# Altium PCB GPS_TRACKER.PcbDoc (part 2 of 2) (continued)
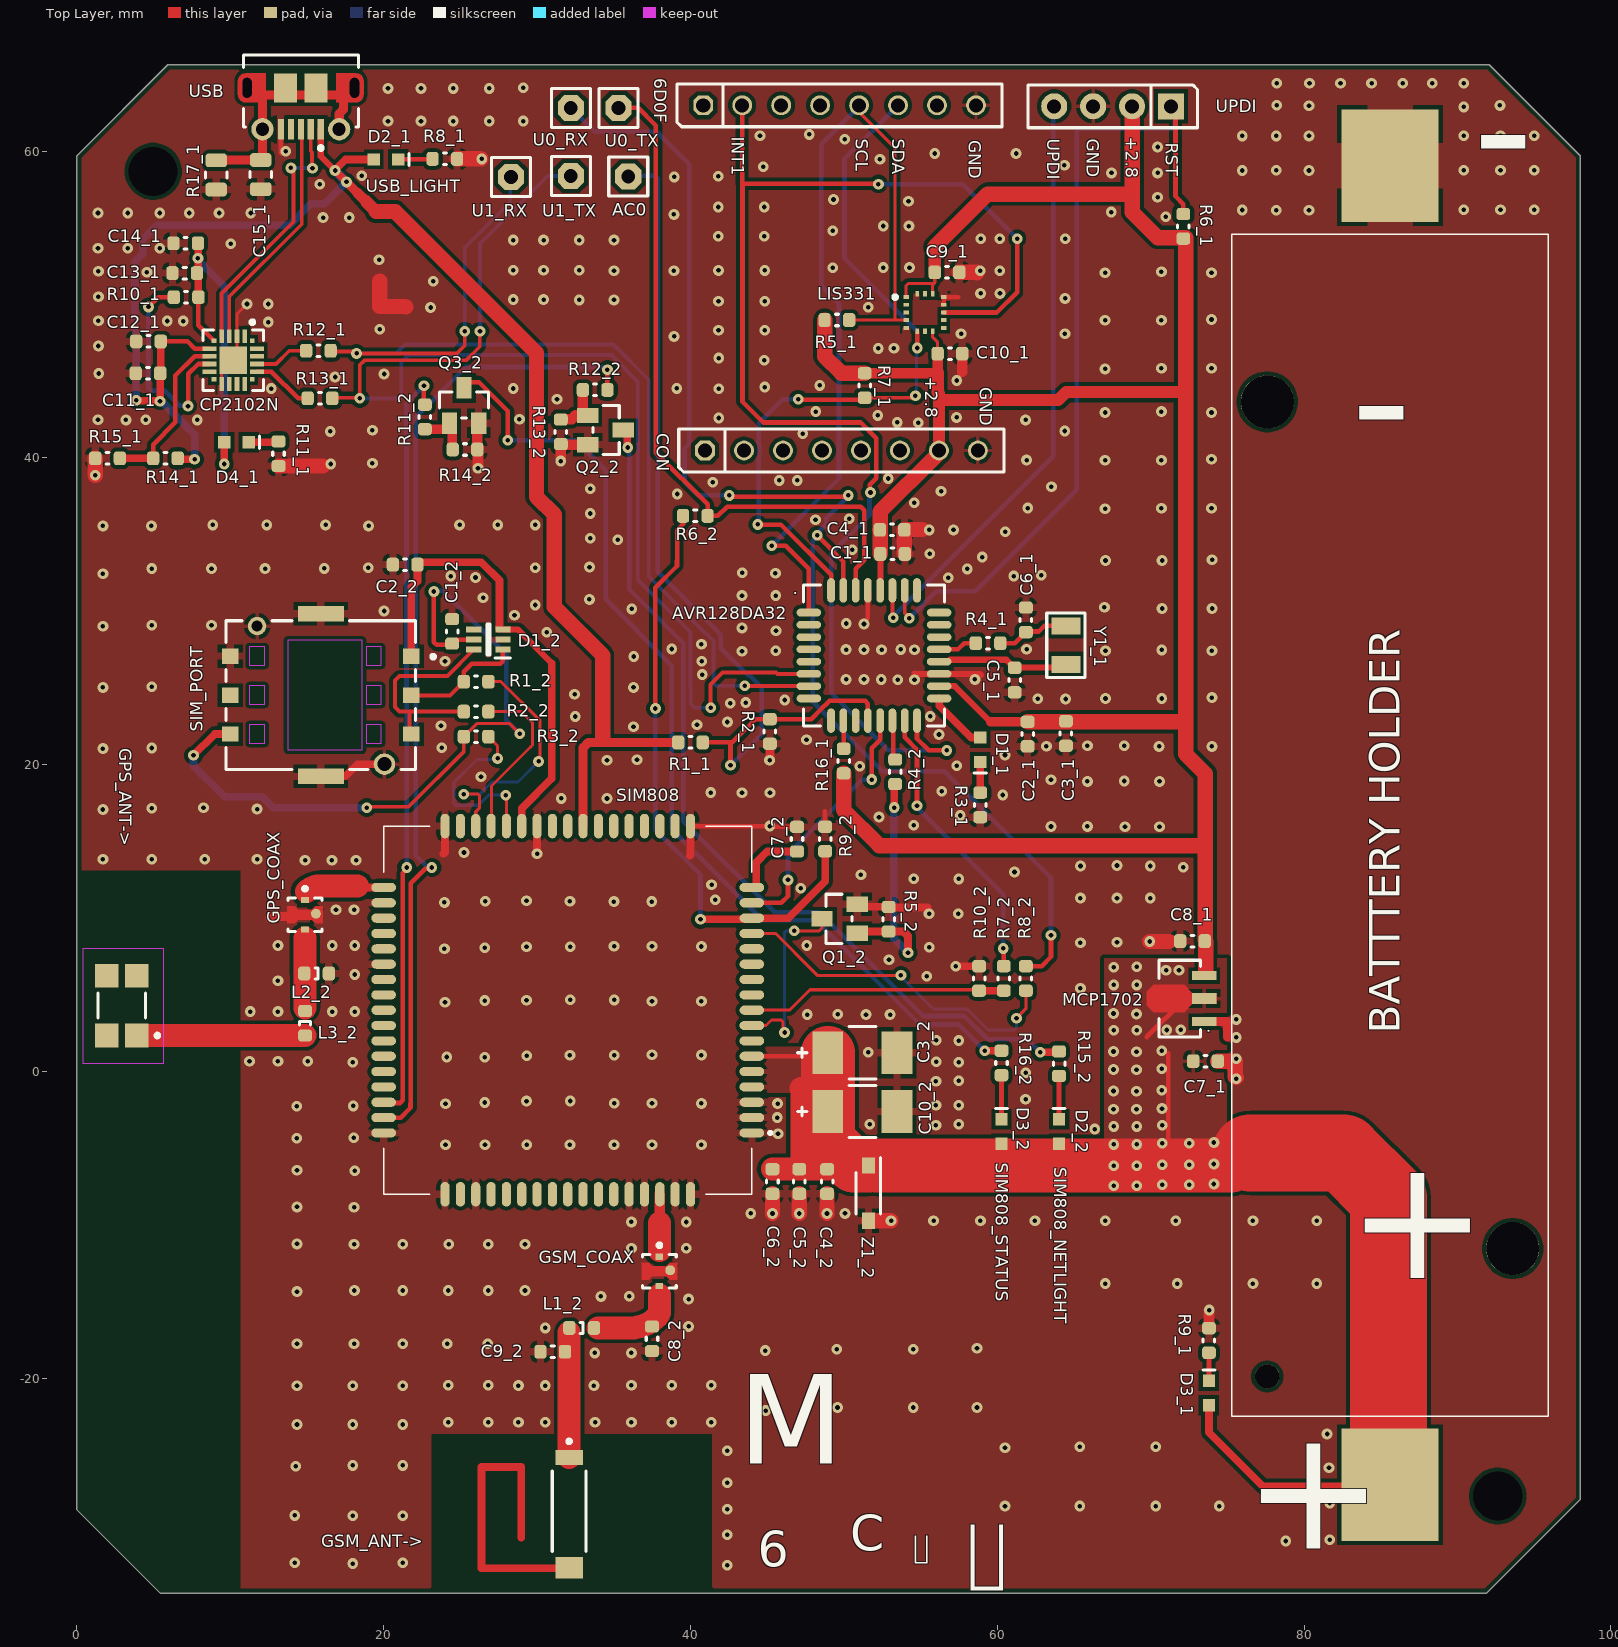
[diagram p0: Top Layer view]
## Nets (pads, with @x,y where several pads share a name; then routed paths per layer and width w, separated by ;. In a path a pad name is that pad's centre, name@x,y a point inside that pad or via, vN(x,y) a via of type N, cw(c..) or ccw(c..) an arc to the next point about the centre after c; other vN are vias at no path point) (continued)
  Top Layer w0.2: R3_2.2@25.225,21.83 26.07,22.676 28.216,22.676 v1(28.876,22.016)
  Top Layer w0.25: v1(18.9,17.205) 18.962,17.267 21.639,17.267 25.225,20.853 R3_2.2@25.225,21.83
  Top Layer w0.3: v1@23.104,31.238 23.275,31.067 23.275,27.99 23.45,27.814 24.376,27.814 24.721,28.159 D1_2.5@25.875,28.159
  Top Layer w0.5: v1(7.6,20.611) 8.989,22 SIM_PORT.C7@10,22
  Bottom Layer w0.3: v1@23.191,31.378 23.232,31.338 23.852,31.338 27.992,27.198 27.992,22.9 v1(28.876,22.016)
  Bottom Layer w0.5: v1(7.6,20.611) 7.6,19.947 9.636,17.912 12.081,17.912 12.788,17.205 v1(18.9,17.205)
  other v1: 23.275,31.292
SMF05C_CAT5: D1_2.6 R2_2.2 SIM_PORT.C3 | length 13.8
  Top Layer w0.25: SIM_PORT.C3@21.8,22 21.69,22.11 21.69,23.465 ; R2_2.2@25.225,23.465 21.69,23.465 ; D1_2.6@25.875,27.509 24.156,25.79 21.027,25.79 20.734,25.497 20.734,23.758 21.027,23.465 21.69,23.465
USB_D_N: CP2102N.5 USB.2 | length 17.1
  Top Layer w0.25: CP2102N.5@9.438,47.926 9.438,50.722 14.114,55.398 14.114,58.621 13.953,58.782 v1(13.953,58.904) ; USB.2@15.25,61.425 15.25,60 15.32,59.93 15.32,58.894 v1@15.343,58.871
  Bottom Layer w0.25: v1@13.869,58.926 13.891,58.904 v1(13.953,58.904) 15.34,58.904 v1(15.362,58.882)
USB_D_P: CP2102N.4 USB.3 | length 15.5
  Top Layer w0.25: CP2102N.4@9.938,47.926 9.938,50.515 14.657,55.234 14.657,61.368 USB.3@14.6,61.425
VBAT: "BATTTERY HOLDER.2" C3_2.2 C4_2.1 C5_2.2 C6_2.1 C7_1.2 C10_2.2 D2_2.1 D3_1.1 D3_2.1 MCP1702.2 SIM808.4 SIM808.5 SIM808.6 Z1_2.1 | length 102.6
  Top Layer w0.3: SIM808.6@44,1 48.733,1 C3_2.2@48.958,1.225 ; 69.745,2.256 72.246,4.757 MCP1702.2@73.495,4.757 ; v1@71.003,-6.125 71.153,-5.975 71.153,1.177
  Top Layer w0.5: D3_1.1@73.797,-21.76 73.797,-23.521 77.317,-27.041 83.925,-27.041
  Top Layer w1: Z1_2.1@51.6,-6.125 52.125,-6.125
  Top Layer w1.5: C6_2.1@45.344,-6.364 C5_2.2@47.255,-6.364 ; 47.195,-1.115 47.255,-1.175 C5_2.2@47.255,-6.364 ; C4_2.1@48.904,-6.364 C5_2.2@47.255,-6.364
  Top Layer w3.5: C3_2.2@48.958,1.225 C10_2.2@48.958,-2.603 48.958,-4.917 49.412,-4.917 50.621,-6.125 Z1_2.1@51.6,-6.125 ; 52.125,-6.125 71.003,-6.125 75.255,-6.125 76.491,-5.307
  Top Layer w5: 76.491,-5.307 82.568,-5.307 85.497,-8.236 85.497,-26.838
  other v1: 67.592,-7.45 69.099,-7.45 70.749,-7.375 72.52,-7.377 74.12,-7.327 67.592,-6.148 69.099,-6.148 70.749,-6.073 72.52,-6.075 74.12,-6.025 67.592,-4.75 69.099,-4.75 70.749,-4.675 72.52,-4.677 74.12,-4.627 67.592,-3.575 69.099,-3.575 70.749,-3.5 67.574,-2.452 69.074,-2.452 70.736,-2.415 69.074,-1.281 67.574,-1.265 70.724,-1.217 69.074,0.116 67.574,0.133 70.724,0.181 69.074,1.291 67.574,1.308 70.724,1.356 69.099,2.693 67.599,2.7 71.05,2.707 71.964,2.725 69.074,3.748 67.574,3.785 67.592,5.646 69.099,5.646 71.003,6.61 71.844,6.61 67.592,6.807 69.099,6.839
"": AVR128DA32.13 SIM808.16 | length 16.8
  Top Layer w0.3: SIM808.16@44,11 45.923,11 46.358,11.435 v1(46.358,12.492) ; v1(51.808,19.034) 51.823,19.049 51.823,21.077 52.364,21.618 AVR128DA32.13@52.364,22.872
  Bottom Layer w0.3: v1(46.358,12.492) 46.358,14.209 51.182,19.034 v1(51.808,19.034)
pads on no net: 6D0F.1 6D0F.3 6D0F.4 6D0F.7 "BATTTERY HOLDER.3" "BATTTERY HOLDER.4" "BATTTERY HOLDER.5" AVR128DA32.2 AVR128DA32.3 AVR128DA32.4 AVR128DA32.5 AVR128DA32.8 AVR128DA32.9 AVR128DA32.11 AVR128DA32.22 AVR128DA32.23 AVR128DA32.24 AVR128DA32.25 CON.1 CON.2 CON.3 CON.4 CON.5 CON.6 CP2102N.1 CP2102N.2 CP2102N.10 CP2102N.11 CP2102N.13 CP2102N.14 CP2102N.15 CP2102N.16 CP2102N.19 CP2102N.20 D1_2.4 GPS_ANT->.2 GPS_ANT->.3 GPS_ANT->.4 LIS331.2 LIS331.3 LIS331.7 LIS331.9 LIS331.10 LIS331.15 SIM808.7 SIM808.10 SIM808.11 SIM808.12 SIM808.13 SIM808.19 SIM808.20 SIM808.21 SIM808.22 SIM808.23 SIM808.24 SIM808.26 SIM808.27 SIM808.33 SIM808.37 SIM808.38 SIM808.39 SIM808.41 SIM808.42 SIM808.43 SIM808.44 SIM808.45 SIM808.46 SIM808.47 SIM808.48 SIM808.53 SIM808.55 SIM808.56 SIM808.57 SIM808.58 SIM808.59 SIM808.60 SIM808.61 SIM808.62 SIM808.63 SIM_PORT.C6 USB.4

## Polygon pours and split planes (outlines as drawn)
VBAT on Top Layer "VBAT_L01_P011" (solid, pour order 11): 43.101,-1.397 48.341,-1.397 48.475,-1.53 48.475,1.603 43.375,1.603 43.101,1.329
VBAT on Top Layer "VBAT_L01_P010" (solid, pour order 10): 74.972,7.375 74.972,-4.611 66.986,-4.611 66.975,-4.6 66.975,7.375
GND on Top Layer "GND_L01_P013" (solid, pour order 13): 74.356,65.532 74.356,52.89 80.905,48.225 98,48.225 98,65.625
GND on Top Layer "GND_L01_P012" (solid, remove dead copper, pour order 12): -0.224,65.625 98,65.625 98,-33.804 38.286,-33.804 5.001,-33.804 -0.224,-28.579
VBAT on Bottom Layer "VBAT_L02_P003" (solid, pour order 3): 66.95,7.321 67,7.271 67,-7.811 74.471,-7.811 74.471,-7.014 74.471,7.384 66.963,7.384 66.95,7.371
GND on Bottom Layer "GND_L02_P004" (solid, remove dead copper, pour order 4): -0.767,59.766 4.342,64.874 98.5,65.015 98.5,-34.751 -1.241,-34.751

## Other copper
Top Layer:
  pour cut-out: 23.1,-33.6 23.1,-23.6 41.425,-23.6 41.425,-33.6
  pour cut-out: 0,13.137 10.693,13.137 10.693,-33.804 0,-33.804 0,2.467
Bottom Layer:
  pour cut-out: 41.375,-33.6 23.074,-33.6 23.074,-23.6 41.375,-23.6
  pour cut-out: 0,13.137 10.693,13.137 10.693,-34 0,-34

## Silkscreen, mask and mechanical layers (free items; w line width, h text height)
Top Overlay:
  text "-" at 94.975,63.624 h8 r180
  text "+2.8" at 68.367,60.946 h0.8 r270
  text "INT1" at 42.699,60.936 h0.8 r270
  text "SCL" at 50.782,60.793 h0.8 r270
  text "SDA" at 53.14,60.793 h0.8 r270
  text "UPDI" at 63.257,60.793 h0.8 r270
  text "GND" at 65.827,60.793 h0.8 r270
  text "GND" at 58.143,60.711 h0.8 r270
  text "RST" at 70.993,60.539 h0.8 r270
  text "USB_LIGHT" at 18.841,57.314 h0.8
  text "+2.8" at 55.294,45.294 h0.8 r270
  text "GND" at 58.862,44.623 h0.8 r270
  text "-" at 83.079,39.914 h8
  text "SIM808_STATUS" at 59.909,-5.954 h0.8 r270
  text "SIM808_NETLIGHT" at 63.708,-6.241 h0.8 r270
  text "+" at 82.804,-13.479 h8
  text "M" at 43.1,-27.5 h10
  text "+" at 76.025,-31.108 h8
  text "C" at 50.425,-32.025 h4
  text "" at 54.525,-32.825 h4
  text "6" at 44.375,-33.05 h4
  text "" at 58.025,-35.75 h10
NOTES (M1):
  text "ASSEMBLY NOTES:" at 29.4,-109.1 h4
  text "1. ALL COMPONENTS SHALL BE RoHS COMPLIANT." at -4.7,-114.2 h3
  text "2. ALL UNUSED THROUGH HOLE COMPONENT LOCATIONS SHALL BE FREE OF SOLDER." at -4.7,-117.2 h3
  text "3. ALL COMPONENTS SHALL BE MOUNTED FLUSH TO THE BOARD, EXCEPT AS NOTED." at -4.7,-120.2 h3
  text "4. FINISHED BOARD SHALL BE FREE OF ALL RESIDUES." at -4.7,-123.2 h3
  text "5. ALL LEADS SHALL BE TRIMMED TO A MAXIMUM HEIGHT OF 2mm" at -4.7,-126.2 h3
  text "'.Layer_Name'" at 318.5,-158.75 h1.5
BOARD (M2):
  lines w0.1: 0,59.7 5.925,65.625 92.075,65.625 98,59.7 98,-27.9 91.9,-34 5.421,-34 0,-28.579 0,48.387 0,59.7 ; 0,59.7 0,59.7
FAB (M4):
  drawing of 284 lines, arcs and shapes, not listed
  text "THIS PCB TO BE MANUFACTURED TO MEET ALL ACCEPTANCE LEVELS" at 236.989,51.662 h1.78
  text "OF A CLASS 2 PCB PER ANSI/IPC-A-600G." at 236.989,47.852 h1.78
  text "MATERIAL:" at 236.989,43.232 h1.78
  text "FR-4 or Equivalent" at 257.309,43.232 h1.78
  text "CONTROLLED IMPEDANCE" at 313.5,39 h1.78
  text "MULTILAYER" at 263.024,38.882 h1.78
  text "2" at 286.519,38.882 h1.78
  text "LAYERS" at 290.964,38.882 h1.78
  text "Cu WEIGHT EXTERNAL LAYERS" at 257.309,34.032 h1.78
  text "35um" at 309.379,34.032 h1.78
  text "FINISHED" at 318.904,34.032 h1.78
  text "Cu WEIGHT INTERNAL LAYERS" at 257.309,29.182 h1.78
  text "N/A" at 309.379,29.182 h1.78
  text "FINISHED" at 318.904,29.182 h1.78
  text "FINISHED OVERALL THICKNESS" at 257.309,24.332 h1.78
  text "1.6" at 310.649,24.332 h1.78
  text "mm" at 318.904,24.332 h1.78
  text "10" at 333.509,24.332 h1.78
  text "%" at 341.764,24.332 h1.78
  text "COPPER THIEVING ALLOWED" at 257.5,19.5 h1.78
  text "YES" at 314.5,19.5 h1.78
  text "NO" at 331.5,19.5 h1.78
  text "X" at 326.091,19 h2.6
  text "FINISH:" at 237,15 h1.78
  text "LEAD-FREE HOT AIR LEVELING" at 263,14.7 h1.78
  text "IMMERSION GOLD" at 263.024,9.162 h1.78
  text "X" at 258.404,8.774 h2.6
  text "IMMERSION TIN" at 263.024,3.662 h1.78
  text "SMOBC WITH SELECTIVE GOLD PLATING ON LANDS" at 263.024,-0.043 h1.78
  text "INDICATED. 1um GOLD OVER 5-10 um NICKEL" at 263.024,-3.853 h1.78
  text "SOLDERMASK" at 257.309,-9.188 h1.78
  text "DYNACHEM EPIC 200 LPI OR EQUIVALENT" at 278.899,-9.188 h1.78
  text "SOLDERMASK COLOR" at 257.309,-15.538 h1.78
  text "RED" at 289.059,-15.538 h1.78
  text "SILKSCREEN COLOR" at 257.309,-21.888 h1.78
  text "WHITE" at 289.059,-21.888 h1.78
  text "Blind / Burried Vias" at 263.5,-28 h1.78
  text "DRILLING:" at 237.5,-28.25 h1.78
  text "Via Layer Pairs" at 258,-32.75 h1.78
  text "Top-Bottom" at 278.75,-32.75 h1.78
  text "ALL HOLES TO BE LOCATED BY THE COORDINATES FROM THE NC DRILL DATA PROVIDED." at 236.989,-38 h1.78
  text "05-'.ProjectPCBNumber'" at 269,-44.5 h1.78
  text "PCB REV" at 305,-44.5 h1.78
  text "USE ARTWORK SET NO." at 236.989,-44.588 h1.78
  text "'.ProjectRevisionART'" at 318.15,-44.75 h1.78
  text "ALL UL LOGO, MANUFACTURER'S ID, AND DATE CODES SHALL BE PLACED" at 236.989,-50.938 h1.78
  text "ON THE BOTTOM SIDE UNLESS OTHERWISE INDICATED." at 236.989,-54.748 h1.78
  text "ANY ALTERNATIVES TO THE ABOVE SPECIFICATIONS MUST FIRST BE APPROVED." at 236.5,-60 h1.78
  text "Layer" at 224.029,-66.675 h1.52
  text "Name" at 234.441,-66.675 h1.52
  text "Material" at 258.056,-66.675 h1.52
  text "Thickness" at 279.894,-66.675 h1.52
  text "Constant" at 296.4,-66.675 h1.52
  text "Gerber" at 310.875,-66.675 h1.52
  text "Board Layer Stack" at 322.81,-66.675 h1.52
  text "Top Overlay" at 234.441,-69.723 h1.52
  text "GTO" at 310.875,-69.723 h1.52
  text "Top Solder" at 234.441,-72.771 h1.52
  text "Solder Resist" at 258.056,-72.771 h1.52
  text "0.010mm" at 279.894,-72.771 h1.52
  text "3.5" at 296.4,-72.771 h1.52
  text "GTS" at 310.875,-72.771 h1.52
  text "1" at 224.029,-75.819 h1.52
  text "Top Layer" at 234.441,-75.819 h1.52
  text "0.035mm" at 279.894,-75.819 h1.52
  text "GTL" at 310.875,-75.819 h1.52
  text "Dielectric1" at 234.441,-78.867 h1.52
  text "FR-4" at 258.056,-78.867 h1.52
  text "1.500mm" at 279.894,-78.867 h1.52
  text "4.3" at 296.4,-78.867 h1.52
  text "2" at 224.029,-81.915 h1.52
  text "Bottom Layer" at 234.441,-81.915 h1.52
  text "0.035mm" at 279.894,-81.915 h1.52
  text "GBL" at 310.875,-81.915 h1.52
  text "Bottom Solder" at 234.441,-84.963 h1.52
  text "Solder Resist" at 258.056,-84.963 h1.52
  text "0.010mm" at 279.894,-84.963 h1.52
  text "3.5" at 296.4,-84.963 h1.52
  text "GBS" at 310.875,-84.963 h1.52
  text "Bottom Overlay" at 234.441,-88.011 h1.52
  text "GBO" at 310.875,-88.011 h1.52
  text "Total board thickness:" at 224.029,-91.059 h1.52
  text "1.590mm" at 279.894,-91.059 h1.52
Bottom Assembly:
  text "'.VariantName'" at 50.07,-142.75 h0.9
  text "ASSEMBLY VARIANT:" at 64.32,-142.75 h0.9
  text "DOCUMENT NUMBER:" at 18.05,-151 h1.14
  text "02-'.ProjectPCBAssyNumber'-D" at 17.8,-154 h1.6
  text "'.ProjectRevisionASSY'" at 1.122,-158.572 h1.5
  text "'.Layer_Name'" at 36,-158.75 h1
Top Assembly:
  text "6. PLACE LABEL  ON THE LOCATION INDICATED." at -4.7,-129.2 h3
  text "7." at -4.7,-132.2 h3
  text "ASSEMBLY VARIANT:" at 272.5,-142.75 h0.9
  text "'.VariantName'" at 286.75,-142.75 h0.9
  text "DOCUMENT NUMBER:" at 318.75,-151 h1.15
  text "02-'.ProjectPCBAssyNumber'-D" at 319,-154 h1.6
TITLE (M16):
  lines w0.1: 272,-141.5 353.82,-141.5 ; 324,-134 324,-137 353.82,-137 ; 342.54,-158.635 342.54,-157.365 ; 342.54,-158 352.7,-158 ; 342.7,-156.8 342.7,-155.8 ; 342.7,-156.3 352.7,-156.3 ; 345.08,-158.635 345.08,-157.365 ; 347.62,-158.635 347.62,-157.365 ; 347.7,-156.6 347.7,-156 ; 350.16,-158.635 350.16,-157.365 ; 352.7,-158.635 352.7,-157.365 ; 352.7,-156.8 352.7,-155.8 ; 353.82,-137 353.82,-137
  lines w0.127: -22.1,-104.175 -17.02,-104.175 ; -22.1,-43.85 -17.02,-43.85 ; -22.1,16.475 -17.02,16.475 ; 41.4,-164.5 41.4,-159.42 ; 41.4,71.72 41.4,76.8 ; 104.9,-164.5 104.9,-159.42 ; 104.9,71.72 104.9,76.8 ; 168.4,-164.5 168.4,-159.42 ; 168.4,71.72 168.4,76.8 ; 203.96,-159.42 239.52,-159.42 ; 231.9,-164.5 231.9,-159.42 ; 231.9,71.72 231.9,76.8 ; 272,-159.42 272,-134 ; 272,-155 353.82,-155 ; 272,-149 353.82,-149 ; 272,-143 353.82,-143 ; 295.4,-164.5 295.4,-159.42 ; 295.4,71.72 295.4,76.8 ; 300,-159.42 300,-143 ; 318,-155 318,-149 ; 331,-159.42 331,-155 ; 338.5,-159.42 338.5,-149 ; 353.82,-128.94 353.82,-159.42 ; 353.82,-104.175 358.9,-104.175 ; 353.82,-43.85 358.9,-43.85 ; 353.82,16.475 358.9,16.475 ; 353.82,-159.42 353.82,-134 238,-134 238,-159.42 353.82,-159.42 ; 353.82,-159.42 -17.02,-159.42 -17.02,71.72 353.82,71.72 353.82,-159.42 ; -22.1,-164.5 358.9,-164.5 358.9,76.8 -22.1,76.8 -22.1,-164.5
  lines w0.254: 243.32,62.72 243.32,67.22 243.32,71.72 ; 255.82,62.72 255.82,67.22 255.82,71.72 ; 334.32,62.72 334.32,67.22 334.32,71.72 ; 353.82,67.22 232.32,67.22 ; 232.32,67.22 232.32,71.72 353.82,71.72 353.82,62.72 232.32,62.72 232.32,67.22
  text "1" at 9.176,73.498 h1.78
  text "2" at 72.566,73.498 h1.78
  text "3" at 135.795,73.498 h1.78
  text "4" at 199.464,73.498 h1.78
  text "5" at 262.939,73.498 h1.78
  text "6" at 326.566,73.498 h1.78
  text "REV" at 234.82,68.72 h1.52
  text "ECO" at 244.82,68.72 h1.52
  text "Comments" at 291.32,68.22 h1.52
  text "Date" at 339.32,68.22 h1.52
  text "A" at -20.195,44.466 h1.78
  text "A" at 355.725,44.466 h1.78
  text "B" at -20.195,-15.986 h1.78
  text "B" at 355.725,-15.986 h1.78
  text "C" at -20.195,-76.311 h1.78
  text "C" at 355.725,-76.311 h1.78
  text "PART NUMBER:" at 325,-136 h1
  text "'.ProjectpartNumber'" at 337,-136.25 h1.5
  text "D" at -20.195,-136.509 h1.78
  text "TITLE:" at 273,-136.5 h1.14
  text "D" at 355.725,-136.509 h1.78
  text "'.ProjectTitle'" at 273,-140.5 h2.5
  text "PCB Layout Contact:" at 273,-145 h1.15
  text "GERBER FILE:" at 301,-145 h1.15
  text "'.ProjectDrawnBy'" at 273,-148 h1.6
  text "'.Plot_File_Name'" at 301,-148 h1.5
  text "M" at 241,-150 h15.24
  text "Project Owner:" at 273,-151 h1.15
  text "BOARD NUMBER:" at 301,-151 h1.15
  text "DATE:" at 339.7,-151 h1.14
  text "Microchip Technology Inc." at 239.77,-153.26 h1.78
  text "'.ProjectEngineer'" at 273,-154 h1.6
  text "04-'.ProjectPCBNumber'" at 301,-154 h1.6
  text "'.PRINT_DATE'" at 339.7,-154 h1.5
  text "2355 W. Chandler Blvd." at 241,-156 h1.78
  text "LAYER NAME:" at 301,-156.5 h1.14
  text "10mm" at 339,-156.6 h0.7
  text "PCB FILE NAME:" at 273,-156.75 h1.15
  text "REV:" at 331.75,-156.75 h1.14
  text "400mil" at 338.9,-158.3 h0.7
  text "Chandler, AZ  85224" at 242,-158.5 h1.78
  text "'.PCB_FILE_NAME_NO_PATH'" at 273,-158.75 h1
  text "1" at 9.176,-162.722 h1.78
  text "2" at 72.566,-162.722 h1.78
  text "3" at 135.795,-162.722 h1.78
  text "4" at 199.464,-162.722 h1.78
  text "5" at 262.939,-162.722 h1.78
  text "6" at 326.566,-162.722 h1.78
Drill Drawing:
  circle w0.254: c-10.712,-85.409 r0.847
  circle w0.254: c-10.712,-96.839 r0.508
  circle w0.254: c-10.712,-96.839 r0.847
  lines w0.254: -11.559,-93.876 -9.865,-93.876 -9.865,-92.183 -11.559,-92.183 -11.559,-93.876 ; -11.559,-89.219 -10.712,-90.066 -9.865,-89.219 -10.712,-88.373 -11.559,-89.219 ; -11.559,-82.023 -11.135,-82.023 -11.135,-82.446 -10.289,-82.446 -10.289,-82.023 -9.865,-82.023 -9.865,-81.176 -10.289,-81.176 -10.289,-80.753 -11.135,-80.753 -11.135,-81.176 -11.559,-81.176 -11.559,-82.023 ; -11.559,-78.636 -9.865,-78.636 -9.865,-76.943 -11.559,-76.943 -11.559,-78.636 ; -11.559,-74.403 -11.135,-74.403 -10.712,-74.826 -10.289,-74.403 -9.865,-74.403 -10.289,-73.979 -9.865,-73.556 -10.289,-73.556 -10.712,-73.133 -11.135,-73.556 -11.559,-73.556 -11.135,-73.979 -11.559,-74.403 ; -11.559,-71.016 -10.712,-70.593 -9.865,-71.016 -10.289,-70.169 -9.865,-69.323 -10.712,-69.746 -11.559,-69.323 -11.135,-70.169 -11.559,-71.016 ; -11.559,-67.206 -11.559,-66.783 -11.135,-66.359 -11.559,-65.936 -11.559,-65.513 -11.135,-65.513 -10.712,-65.936 -10.289,-65.513 -9.865,-65.513 -9.865,-65.936 -10.289,-66.359 -9.865,-66.783 -9.865,-67.206 -10.289,-67.206 -10.712,-66.783 -11.135,-67.206 -11.559,-67.206 ; -11.559,-61.703 -9.865,-61.703 -10.712,-63.396 -11.559,-61.703 ; -11.22,-93.537 -10.204,-93.537 -10.204,-92.521 -11.22,-92.521 -11.22,-93.537
  lines w0.381: -13.077,-98.829 334.449,-98.829 ; -13.077,-60.729 334.449,-60.729 ; 0.915,-102.639 0.915,-56.919 ; 16.151,-102.639 16.151,-56.919 ; 45.352,-102.639 45.352,-56.919 ; 58.202,-102.639 58.202,-56.919 ; 76.84,-102.639 76.84,-56.919 ; 114.929,-102.639 114.929,-56.919 ; 129.911,-102.639 129.911,-56.919 ; 157.589,-102.639 157.589,-56.919 ; 182.22,-102.639 182.22,-56.919 ; 203.905,-102.639 203.905,-56.919 ; 237.779,-102.639 237.779,-56.919 ; 271.653,-102.639 271.653,-56.919 ; 298.823,-102.639 298.823,-56.919 ; -13.077,-102.639 334.449,-102.639 334.449,-56.919 -13.077,-56.919 -13.077,-102.639
  text "Symbol" at -10.791,-59.586 h1.83
  text "Count" at 2.058,-59.586 h1.83
  text "Hole Size" at 17.294,-59.586 h1.83
  text "Plated" at 46.495,-59.586 h1.83
  text "Hole Type" at 59.345,-59.586 h1.83
  text "Drill Layer Pair" at 77.983,-59.586 h1.83
  text "Via/Pad" at 116.072,-59.586 h1.83
  text "Pad Shape" at 131.054,-59.586 h1.83
  text "Template" at 158.732,-59.586 h1.83
  text "Description" at 183.363,-59.586 h1.83
  text "Hole Tolerance (+)" at 205.048,-59.586 h1.83
  text "Hole Tolerance (-)" at 238.922,-59.586 h1.83
  text "Hole Length" at 272.796,-59.586 h1.83
  text "Routed Path Length" at 299.966,-59.586 h1.83
  text "1" at 2.058,-63.396 h1.52
  text "27.56mil (0.700mm)" at 17.294,-63.396 h1.52
  text "PTH" at 46.495,-63.396 h1.52
  text "Round" at 59.345,-63.396 h1.52
  text "Top Layer - Bottom Layer" at 77.983,-63.396 h1.52
  text "Pad" at 116.072,-63.396 h1.52
  text "Rounded" at 131.054,-63.396 h1.52
  text "c120h70m120p-1" at 158.732,-63.396 h1.52
  text "-" at 272.796,-63.396 h1.52
  text "-" at 299.966,-63.396 h1.52
  text "1" at 2.058,-67.206 h1.52
  text "61.81mil (1.570mm)" at 17.294,-67.206 h1.52
  text "NPTH" at 46.495,-67.206 h1.52
  text "Round" at 59.345,-67.206 h1.52
  text "Top Layer - Bottom Layer" at 77.983,-67.206 h1.52
  text "Pad" at 116.072,-67.206 h1.52
  text "Rounded" at 131.054,-67.206 h1.52
  text "c157hn157" at 158.732,-67.206 h1.52
  text "-" at 272.796,-67.206 h1.52
  text "-" at 299.966,-67.206 h1.52
  text "2" at 2.058,-71.016 h1.52
  text "23.62mil (0.600mm)" at 17.294,-71.016 h1.52
  text "PTH" at 46.495,-71.016 h1.52
  text "Slot" at 59.345,-71.016 h1.52
  text "Top Layer - Bottom Layer" at 77.983,-71.016 h1.52
  text "Pad" at 116.072,-71.016 h1.52
  text "Rounded Rectangle" at 131.054,-71.016 h1.52
  text "s-100h60_130r50" at 158.732,-71.016 h1.52
  text "51.18mil (1.300mm)" at 272.796,-71.016 h1.52
  text "27.56mil (0.700mm)" at 299.966,-71.016 h1.52
  text "2" at 2.058,-74.826 h1.52
  text "33.47mil (0.850mm)" at 17.294,-74.826 h1.52
  text "PTH" at 46.495,-74.826 h1.52
  text "Round" at 59.345,-74.826 h1.52
  text "Top Layer - Bottom Layer" at 77.983,-74.826 h1.52
  text "Pad" at 116.072,-74.826 h1.52
  text "Rounded" at 131.054,-74.826 h1.52
  text "c145h85" at 158.732,-74.826 h1.52
  text "-" at 272.796,-74.826 h1.52
  text "-" at 299.966,-74.826 h1.52
  text "2" at 2.058,-78.636 h1.52
  text "125.98mil (3.200mm)" at 17.294,-78.636 h1.52
  text "NPTH" at 46.495,-78.636 h1.52
  text "Round" at 59.345,-78.636 h1.52
  text "Top Layer - Bottom Layer" at 77.983,-78.636 h1.52
  text "Pad" at 116.072,-78.636 h1.52
  text "Rounded" at 131.054,-78.636 h1.52
  text "c0hn320m340" at 158.732,-78.636 h1.52
  text "-" at 272.796,-78.636 h1.52
  text "-" at 299.966,-78.636 h1.52
  text "2" at 2.058,-82.446 h1.52
  text "135.83mil (3.450mm)" at 17.294,-82.446 h1.52
  text "NPTH" at 46.495,-82.446 h1.52
  text "Round" at 59.345,-82.446 h1.52
  text "Top Layer - Bottom Layer" at 77.983,-82.446 h1.52
  text "Pad" at 116.072,-82.446 h1.52
  text "Rounded" at 131.054,-82.446 h1.52
  text "c345hn345" at 158.732,-82.446 h1.52
  text "-" at 272.796,-82.446 h1.52
  text "-" at 299.966,-82.446 h1.52
  text "5" at 2.058,-86.256 h1.52
  text "35.43mil (0.900mm)" at 17.294,-86.256 h1.52
  text "PTH" at 46.495,-86.256 h1.52
  text "Round" at 59.345,-86.256 h1.52
  text "Top Layer - Bottom Layer" at 77.983,-86.256 h1.52
  text "Pad" at 116.072,-86.256 h1.52
  text "Octagonal" at 131.054,-86.256 h1.52
  text "s170h90c50" at 158.732,-86.256 h1.52
  text "-" at 272.796,-86.256 h1.52
  text "-" at 299.966,-86.256 h1.52
  text "5" at 2.058,-90.066 h1.52
  text "35.98mil (0.914mm)" at 17.294,-90.066 h1.52
  text "PTH" at 46.495,-90.066 h1.52
  text "Round" at 59.345,-90.066 h1.52
  text "Top Layer - Bottom Layer" at 77.983,-90.066 h1.52
  text "Pad" at 116.072,-90.066 h1.52
  text "(Mixed)" at 131.054,-90.066 h1.52
  text "(Mixed)" at 158.732,-90.066 h1.52
  text "-" at 272.796,-90.066 h1.52
  text "-" at 299.966,-90.066 h1.52
  text "16" at 2.058,-93.876 h1.52
  text "36.00mil (0.914mm)" at 17.294,-93.876 h1.52
  text "PTH" at 46.495,-93.876 h1.52
  text "Round" at 59.345,-93.876 h1.52
  text "Top Layer - Bottom Layer" at 77.983,-93.876 h1.52
  text "Pad" at 116.072,-93.876 h1.52
  text "(Mixed)" at 131.054,-93.876 h1.52
  text "(Mixed)" at 158.732,-93.876 h1.52
  text "-" at 272.796,-93.876 h1.52
  text "-" at 299.966,-93.876 h1.52
  text "662" at 2.058,-97.686 h1.52
  text "11.81mil (0.300mm)" at 17.294,-97.686 h1.52
  text "PTH" at 46.495,-97.686 h1.52
  text "Round" at 59.345,-97.686 h1.52
  text "Top Layer - Bottom Layer" at 77.983,-97.686 h1.52
  text "Via" at 116.072,-97.686 h1.52
  text "Rounded" at 131.054,-97.686 h1.52
  text "v70h30m0mx0" at 158.732,-97.686 h1.52
  text "-" at 272.796,-97.686 h1.52
  text "-" at 299.966,-97.686 h1.52
  text "698 Total" at 2.058,-101.496 h1.52
  text "Slot definitions :" at -10.791,-105.178 h1.52
  text "Routed Path Length" at 15.439,-105.178 h1.52
  text "= Calculated from tool start centre position to tool end centre position." at 43.447,-105.178 h1.52
  text "Hole Length" at 15.439,-107.718 h1.52
  text "= Routed Path Length + Tool Size = Slot length as defined in the PCB layout" at 33.036,-107.718 h1.52
  text "DOCUMENT NUMBER:" at 318.75,-151 h1.15
  text "04-'.ProjectPCBNumber'-D" at 319,-154 h1.6
TITLE MIRROR (M17):
  lines w0.1: -15.9,-158.635 -15.9,-157.365 ; -15.9,-158 -5.74,-158 ; -15.9,-156.8 -15.9,-155.8 ; -15.9,-156.3 -5.9,-156.3 ; -13.36,-158.635 -13.36,-157.365 ; -10.9,-156.6 -10.9,-156 ; -10.82,-158.635 -10.82,-157.365 ; -8.28,-158.635 -8.28,-157.365 ; -5.9,-156.8 -5.9,-155.8 ; -5.74,-158.635 -5.74,-157.365
  lines w0.127: -22.1,-104.175 -17.02,-104.175 ; -22.1,-43.85 -17.02,-43.85 ; -22.1,16.475 -17.02,16.475 ; -17.02,-155 64.8,-155 ; -17.02,-149 64.8,-149 ; -17,-143 64.82,-143 ; -17,-141.5 64.82,-141.5 ; -17,-137 -16.383,-137 ; -1.7,-159.42 -1.7,-149 ; 5.8,-159.42 5.8,-155 ; 12.82,-134 12.82,-137 -16.383,-137 ; 18.8,-155 18.8,-149 ; 36.82,-159.42 36.82,-143 ; 41.4,-164.5 41.4,-159.42 ; 41.4,71.72 41.4,76.8 ; 64.82,-159.42 64.82,-134 ; 104.9,-164.5 104.9,-159.42 ; 104.9,71.72 104.9,76.8 ; 168.4,-164.5 168.4,-159.42 ; 168.4,71.72 168.4,76.8 ; 231.9,-164.5 231.9,-159.42 ; 231.9,71.72 231.9,76.8 ; 295.4,-164.5 295.4,-159.42 ; 295.4,71.72 295.4,76.8 ; 353.82,-104.175 358.9,-104.175 ; 353.82,-43.85 358.9,-43.85 ; 353.82,16.475 358.9,16.475 ; -17.02,-159.42 98.82,-159.42 98.82,-134 -17.02,-134 -17.02,-159.42 ; -17.02,-159.42 -17.02,71.72 353.82,71.72 353.82,-159.42 -17.02,-159.42 ; -16.383,-137 -16.383,-137 ; -22.1,-164.5 -22.1,76.8 358.9,76.8 358.9,-164.5 -22.1,-164.5
  text "6" at 10.234,73.498 h1.78
  text "5" at 73.861,73.498 h1.78
  text "4" at 137.336,73.498 h1.78
  text "3" at 201.005,73.498 h1.78
  text "2" at 264.234,73.498 h1.78
  text "1" at 327.624,73.498 h1.78
  text "A" at -18.925,44.466 h1.78
  text "A" at 356.995,44.466 h1.78
  text "B" at -18.925,-15.986 h1.78
  text "B" at 356.995,-15.986 h1.78
  text "C" at -18.925,-76.311 h1.78
  text "C" at 356.995,-76.311 h1.78
  text "PART NUMBER:" at 11.82,-136 h1
  text "TITLE:" at 63.82,-136 h1.14
  text "'.ProjectpartNumber'" at -0.18,-136.25 h1.5
  text "D" at -18.925,-136.509 h1.78
  text "D" at 356.995,-136.509 h1.78
  text "'.ProjectTitle'" at 63.82,-140.5 h2.5
  text "GERBER FILE:" at 35.82,-145 h1.14
  text "PCB DESIGNER:" at 63.82,-145 h1.14
  text "'.Plot_File_Name'" at 35.82,-148 h1.5
  text "'.ProjectDrawnBy'" at 63.82,-148 h1.78
  text "M" at 95.82,-150 h15.24
  text "DATE:" at -2.9,-151 h1.14
  text "BOARD NUMBER:" at 35.8,-151 h1.14
  text "ENGINEER:" at 63.8,-151 h1.14
  text "Microchip Technology Inc." at 97.05,-153.26 h1.78
  text "'.PRINT_DATE'" at -2.9,-154 h1.5
  text "04-'.ProjectPCBNumber'" at 35.8,-154 h1.6
  text "'.ProjectEngineer'" at 63.8,-154 h1.78
  text "2355 W. Chandler Blvd." at 95.82,-156 h1.78
  text "LAYER NAME:" at 35.8,-156.5 h1.14
  text "10mm" at -2.2,-156.6 h0.7
  text "REV:" at 5.05,-156.75 h1.14
  text "PCB FILE NAME:" at 63.8,-156.75 h1.14
  text "400mil" at -2.1,-158.3 h0.7
  text "Chandler, AZ  85224" at 94.82,-158.5 h1.78
  text "'.PCB_FILE_NAME_NO_PATH'" at 63.8,-158.75 h1.14
  text "6" at 10.234,-162.722 h1.78
  text "5" at 73.861,-162.722 h1.78
  text "4" at 137.336,-162.722 h1.78
  text "3" at 201.005,-162.722 h1.78
  text "2" at 264.234,-162.722 h1.78
  text "1" at 327.624,-162.722 h1.78

## Dimensions
0,-28.579 to 98,-27.9 on Top Assembly
92.075,65.625 to 91.9,-34 on Top Assembly

## Text inside footprints (layer, text, board x,y; h text height)
AVR128DA32: Top Assembly "1" at 47.739,29.997 h0.5 r270
MCP1702: Top Assembly "1" at 72.845,2.657 h0.8 r90
USB: NOTES (M1) "PCB EDGE" at 21.8,65.675 h0.3 r180
Y1_1: Top Assembly "1" at 64.95,26.375 h1 r90